# Altium PCB Atom.PcbDoc (part 1 of 2) (continued)
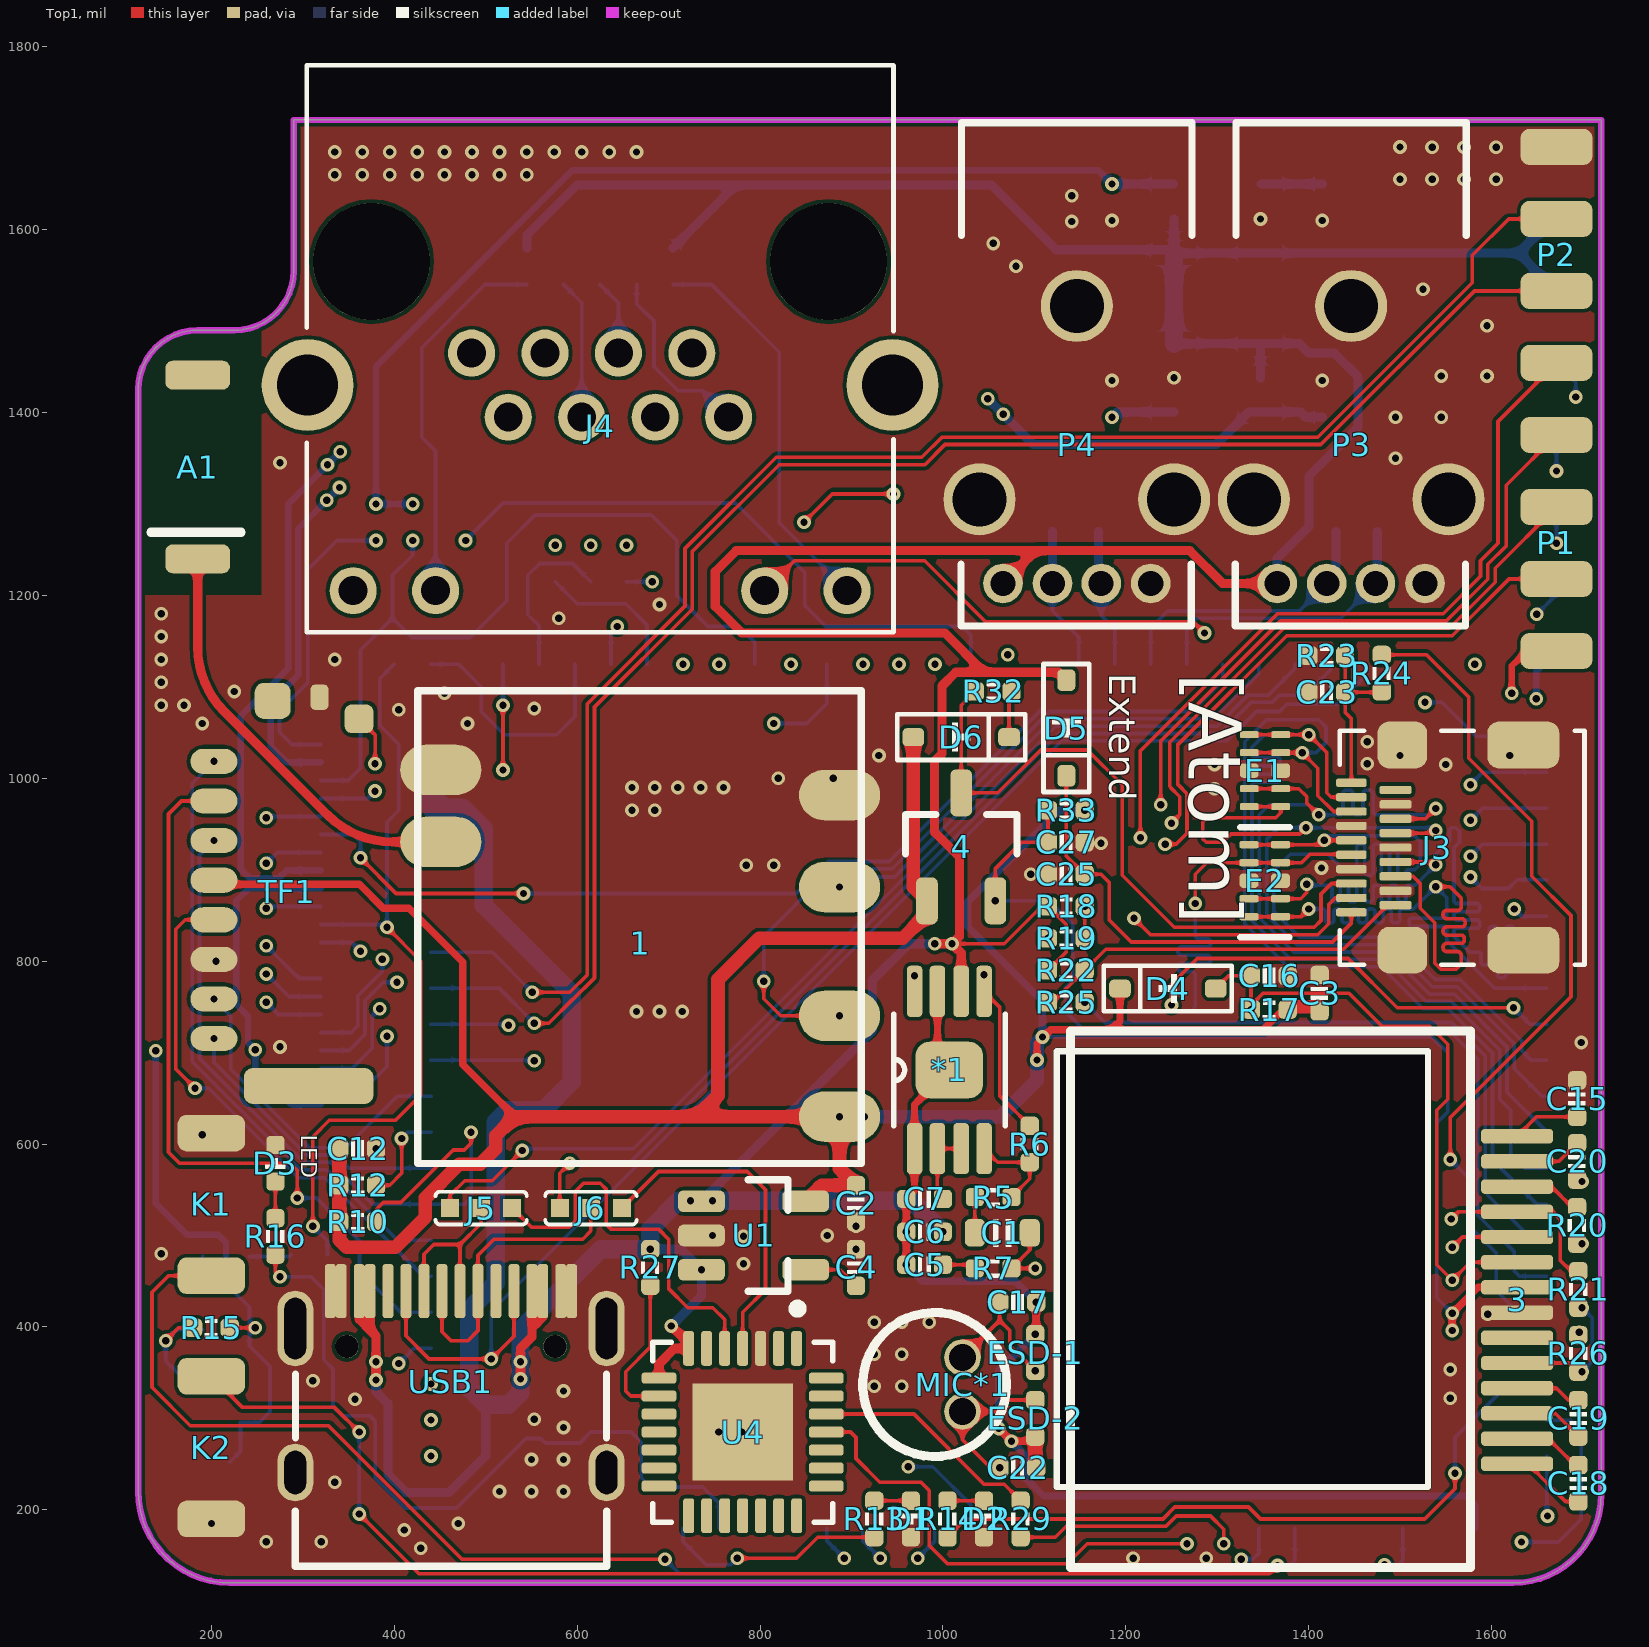
[diagram p0: Top1 view]
## Board outline (continued)

## Design rules (kind name [scope] priority, off if disabled: settings)
Clearance [All] p1: gap=4 ignorepadtopadclearanceinfootprint=FALSE except(0: Arc-Hole Track-Hole SMDPad-Hole THPad-Hole Via-Hole Fill-Hole Poly-Hole Region-Hole Text-Hole)
ComponentClearance [All] p1: gap=0 collisioncheckmode=3 verticalgap=0 showdistances=FALSE
DiffPairsRouting [All] p1: maxlimit=9 minlimit=9 mostfreqgap=9 toplayer_minwidth=15 toplayer_maxwidth=15 toplayer_prefwidth=15 midlayer1_minwidth=15 midlayer1_maxwidth=15 midlayer1_prefwidth=15 bottomlayer_minwidth=15 bottomlayer_maxwidth=15 bottomlayer_prefwidth=15 maxuncoupledlength=500
FanoutControl Fanout_BGA [All] p1: bgadir=Out bgaviamode=Centered fanoutstyle=Auto fanoutdirection=Alternating viagrid=1 // Fanout_BGA (Default Rule)
HoleSize [All] p1: absolutevalues=TRUE maxlimit=10000 minlimit=8 maxpercent=80.000 minpercent=20.000
MinimumSolderMaskSliver [All] p1 off: minsoldermaskwidth=2
PlaneClearance [All] p1: clearance=8
PlaneConnect [All] p1: planeconnectstyle=Direct reliefexpansion=20 reliefentries=4 reliefconductorwidth=10 reliefairgap=10
PolygonConnect [All] p1: connectstyle=Direct reliefconductorwidth=10 reliefentries=4 polygonreliefangle="90 Angle" airgapwidth=10
RoutingVias [All] p1: holewidth=8 width=16 viastyle="Through Hole" minholewidth=6 minwidth=12 maxholewidth=28 maxwidth=50
SilkToSilkClearance [All] p1: silktosilkclearance=0
SilkToSolderMaskClearance [IsPad] p1: minsilkscreentomaskgap=0 clearancetoexposedcopper=TRUE
SolderMaskExpansion [All] p1: expansion=3
Width GND [(InNet('AGND') OR InNet('GND'))] p1: maxlimit=50 minlimit=4 preferedwidth=10
Width VCC [(InNet('VDD_SYS_3.3V') OR InNet('VDD_AV_3.3V') OR InNet('VDD_5V') OR InNet('VDD1V2-SYS') OR InNet('VDD1V1-EPHY') OR InNet('VDD-CPUX') OR InNet('VDD-CPUS') OR InNet('VDD-CPUFB') OR InNet('VCC-DRAM'))] p2: maxlimit=50 minlimit=4 preferedwidth=10
Width [All] p3: maxlimit=10000 minlimit=4 preferedwidth=4
21 further rules are at their usual default settings.

## Components (designator, comment, footprint, x,y, rotation, side; value= is the part's Value field where it differs from the comment)
1 "GND" USB-WIFI-ANT 670,840 r180 top locked
2 "d" SOT363-6 216,437 r90 bottom
3 "OLED-6432" OLED-6432-TOP 1616.27,429.85 r90 top locked
4 "BSN20BKR" SOT23-3 1020,925 r90 top
*1 "LM4871" MSOP-8 1007,681 r90 top
A1 "RAINSUN" ANT-RAINSUN-AN5120 185,1340 r90 top
C1 "330nF" 0603-CAP 1065,503 r0 top value=0.1u
C2 "0.1uF" CAP_0402 905,535 r90 top value=0.1u
C3 "10uF" CAP_0402 1412,765 r270 top value=0.1u
C4 "10nF" CAP_0402 905,465 r270 top value=0.1u
C5 "0.1uF" CAP_0402 980,468 r0 top value=0.1u
C6 "10uF" CAP_0402 980,504 r0 top value=0.1u
C7 "1uF" CAP_0402 980,540 r0 top value=0.1u
C8 "10uF" CAP_0402 1185,1415 r270 bottom value=0.1u
C9 "10uF" CAP_0402 1415,1415 r270 bottom value=0.1u
C10 "10pF" CAP_0402 150,405 r90 bottom value=0.1u
C11 "10pF" CAP_0402 200,252 r0 bottom value=0.1u
C12 "10uF" CAP_0402 360,595 r180 top value=0.1u
C13 "10uF" CAP_0402 1415,1630 r90 bottom value=0.1u
C14 "10uF" CAP_0402 1185,1630 r90 bottom value=0.1u
C15 "10uF" CAP_0402 1693.62,649.74 r270 top value=0.1u
C16 "10uF" CAP_0402 1357,784 r180 top value=0.1u
C17 "33pF" CAP_0402 1082,427 r180 top value=0.1u
C18 "1uF" CAP_0402 1695,229 r270 top value=0.1u
C19 "1uF" CAP_0402 1695,300 r90 top value=0.1u
C20 "10uF" CAP_0402 1693.62,581 r270 top value=0.1u
C21 "100pF" CAP_0402 1647,179 r45 bottom value=0.1u
C22 "33pF" CAP_0402 1082,246 r180 top value=0.1u
C23 "0.1uF" CAP_0402 1419.87,1094.06 r0 top value=0.1u
C24 "0.1uF" CAP_0402 585,1560.08 r90 bottom value=0.1u
C25 "0.1uF" CAP_0402 1135,895 r180 top value=0.1u
C26 "0.1uF" CAP_0402 625,1560.08 r90 bottom value=0.1u
C27 "100pF" CAP_0402 1135,930 r180 top value=0.1u
D1 "color?" LED_0402_RED 965,190 r270 top
D2 "color?" LED_0402_RED 1045,190 r270 top
D3 "color?" LED_0402_RED 270,579 r90 top
D4 "二极管-5B5817WS" SOD-323 1246,770 r180 top
D5 "二极管-5B5817WS" SOD-323 1135,1055 r270 top
D6 "二极管-5B5817WS" SOD-323 1020,1045 r0 top
E1 "E?" DFN-2510 1352.22,1008.37 r90 top
E2 "E?" DFN-2510 1352,888 r90 top
ESD-1 "ESD-0402" ESD-0402 1101,372 r90 top
ESD-2 "ESD-0402" ESD-0402 1101,300 r90 top
ESD-3 "ESD-0402" ESD-0402 1475,1290 r270 bottom
ESD-4 "ESD-0402" ESD-0402 1430,1290 r270 bottom
ESD-5 "ESD-0402" ESD-0402 1170,1290 r270 bottom
ESD-6 "ESD-0402" ESD-0402 1120,1290 r270 bottom
J1 "Core" QUANTUM-QUARK 1660.55,180 r180 bottom locked
J2 "0.5S_A_24PWB" FPC-24P 270,850 r90 bottom
J3 "Micro-HDMI" "MICRO HDMI" 1446.77,924.25 r90 top locked
J4 "RJ45座" RJ45母座 625.08,1565.08 r180 top locked
J5 "选择跳线" JUMPER-3 495,530 r180 top
J6 "选择跳线" JUMPER-3 615,530 r180 top
K1 "TACT 2P" ButtonTACT_3x4x2_180 200,534 r270 top locked value=3x4
K2 "TACT 2P" ButtonTACT_3x4x2_180 200,268 r90 top value=3x4
MIC*1 "MIC*" MIC-0416 991,337 r0 top
P1 "HDR2x4_2.54" HDR2X4_2.0_180H 1671,1375.48 r0 top
P2 "HDR2x4_2.54" HDR2X4_2.0_180H 1671,1690.48 r0 top
P3 "USB-侧立式" USB-侧立式 1446.46,1514.53 r270 top locked
P4 "USB-侧立式" USB-侧立式 1146.46,1514.53 r270 top locked
R1 "22R" RES_0402 576,1235 r270 bottom
R2 "22R" RES_0402 654,1235 r270 bottom
R3 "22R" RES_0402 420.08,1124.88 r0 bottom
R4 "22R" RES_0402 615,1235 r270 bottom
R5 "20K" RES_0402 1055,542 r0 top value=22R
R6 "75K" RES_0402 1095,600 r90 top value=22R
R7 "22R" RES_0402 1055,464 r0 top
R8 "10K" RES_0402 420.08,1280 r90 bottom value=22R
R9 "10K" RES_0402 380,1280 r90 bottom value=22R
R10 "47K" RES_0402 360,515 r0 top value=22R
R11 "0R" RES_0402 307,479 r0 bottom value=22R
R12 "47K" RES_0402 360,555 r0 top value=22R
R13 "4.7K" RES_0402 925,190 r90 top value=22R
R14 "4.7K" RES_0402 1005,190 r90 top value=22R
R15 "5.1M" RES_0402 200,399 r180 top value=22R
R16 "1K" RES_0402 270,499 r90 top value=22R
R17 "4.7K" RES_0402 1357,747 r180 top value=22R
R18 "1.8K" RES_0402 1135,860 r180 top value=22R
R19 "22R" RES_0402 1135,825 r0 top
R20 "560K" RES_0402 1693.62,511 r90 top value=22R
R21 "4.7K" RES_0402 1695,441 r270 top value=22R
R22 "1.8K" RES_0402 1135,790 r180 top value=22R
R23 "10K" RES_0402 1419.87,1134.06 r0 top value=22R
R24 "1K" RES_0402 1480,1115 r90 top value=22R
R25 "22R" RES_0402 1135,755 r180 top
R26 "4.7K" RES_0402 1695,371 r270 top value=22R
R27 "10K" RES_0402 680,465 r270 top value=22R
R28 "1M" RES_0402 665,1560.08 r270 bottom value=22R
R29 "200R" RES_0402 1085,190 r90 top value=22R
R30 "1K" RES_0402 705,1560.08 r270 bottom value=22R
R31 "1K" RES_0402 545,1560.08 r270 bottom value=22R
R32 "3.6K" RES_0402 1055,1095 r0 top value=22R
R33 "2K" RES_0402 1135,965 r0 top value=22R
TF1 "TF" "TF-SOCKET - SHORT" 330,880 r0 top locked
U1 "LP2992 3V3" SOT23-5 795,500 r0 top
U2 "RT9011-FMPJ6" SOT23-6 1300,1438 r0 bottom
U3 "RT9011-PGPJ6" SOT23-6 1300,1611.74 r180 bottom
U4 "CP2102" QFN-28 781,285 r270 top locked value=Value
USB1 "Type-C" TYPE-C-TOP 462,340 r270 top locked
Y1 "24MHz" 晶振2520 200,320 r180 bottom

## Footprints (in the part's own frame and the unit in brackets; to place one, negate y for a bottom-side part, rotate by r counter-clockwise, add the part's x,y. Pads: shape width x height; smd on the part's side, far side on the other; paste and mask are expansions set on the pad)
0603-CAP [mil]
  rrect50% 22x30 smd: 1(-30,0) 2(30,0)
  silkscreen extent -10,-15 10,15, body extent -31,-16 32,16, height 31
ANT-RAINSUN-AN5120 [mm] "选择"
  rrect50% 0.8x1.8 smd: 1(-2.54,0) ""(2.563,0)
  silkscreen extent -1.8,-1.2 -1.8,1.3, body extent -2.57,-0.91 2.54,0.94, height 1.32
ButtonTACT_3x4x2_180 [mil]
  rrect50% 40x74 smd: 1(-78,0) 2(78,0)
  body extent -79,-49 79,49, height 63
CAP_0402 [mil]
  rrect50% 20x20 smd: 1(-20,0) 2(20,0)
  silkscreen extent -7,-9 7,9, body extent -20,-10 20,10, height 20
DFN-2510 [mm]
  rrect50% 0.2x0.525 smd: 1(-1,-0.437) 2(-0.5,-0.437) 4(0.5,-0.437) 5(1,-0.437) 6(1,0.437) 7(0.5,0.437) 9(-0.5,0.437) 10(-1,0.437)
  rrect50% 0.4x0.525 smd: 3(0,-0.437) 8(0,0.437)
  silkscreen extent -1.57,-0.69 -1.57,0.69
ESD-0402 [mil]
  rrect50% 20x20 smd: 1(-20,0) 2(20,0)
  body extent -20,-10 20,10, height 14
FPC-24P [mm]
  oval 0.3x1.25 smd: 1(5.75,1.263) 2(5.25,1.263) 3(4.75,1.263) 4(4.25,1.263) 5(3.75,1.263) 6(3.25,1.263) 7(2.75,1.263) 8(2.25,1.263) 9(1.75,1.263) 10(1.25,1.263) 11(0.75,1.263) 12(0.25,1.263) 13(-0.25,1.263) 14(-0.75,1.263) 15(-1.25,1.263) 16(-1.75,1.263) 17(-2.25,1.263) 18(-2.75,1.263) 19(-3.25,1.263) 20(-3.75,1.263) 21(-4.25,1.263) 22(-4.75,1.263) 23(-5.25,1.263) 24(-5.75,1.263)
  rrect50% 1.8x2.2 smd: ""(-7.65,-1.263) ""(7.65,-1.263)
  silkscreen extent -7.65,-2.85 7.65,1.26, body extent -8.75,-3.72 8.75,1.68, height 2.12
HDR2X4_2.0_180H [mm]
  rrect50% 2x1 smd: 1(0,0) 3(0,-2) 5(0,-4) 7(0,-6)
  rrect50% 2x1 smd far side: 2(0,0) 4(0,-2) 6(0,-4) 8(0,-6)
JUMPER-3 [mm]
  rect 0.5x0.5 smd: 1(-0.864,0) 2(0,0) 3(0.864,0)
  silkscreen extent -1.27,-0.46 1.27,0.46
LED_0402_RED [mil]
  rrect50% 20x20 smd: 1(-20,0) 2(20,0)
  silkscreen extent -6,-11 6,10, body extent -20,-10 20,10, height 18
MIC-0416 [mil]
  round 40 hole 30: 1(30.43,29.53) 2(30.43,-29.53)
  silkscreen extent -79,-79 79,79, body extent -99,-99 99,100, height 102
"MICRO HDMI" [mm]
  rrect50% 0.23x0.85 smd: 1(1.8,0) 3(1.4,0) 5(1,0) 7(0.6,0) 9(0.2,0) 11(-0.2,0) 13(-0.6,0) 15(-1,0) 17(-1.4,0) 19(-1.8,0)
  rrect50% 0.23x0.889 smd: 2(1.6,-1.225) 4(1.2,-1.225) 6(0.8,-1.225) 8(0.4,-1.225) 10(0,-1.225) 12(-0.4,-1.225) 14(-0.8,-1.225) 16(-1.2,-1.225) 18(-1.6,-1.225)
  rrect50% 1.3x1.38 smd: S1(-2.85,-1.415) S2(2.85,-1.415)
  rrect50% 1.3x2 smd: S3(-2.85,-4.775) S4(2.85,-4.775)
  silkscreen extent -3.25,-6.48 3.25,0.33, body extent -3.25,-7.15 3.25,0.35, height 2.98
MSOP-8 [mil]
  rrect50% 56x17 smd: 1(-86,38) 2(-86,13) 3(-86,-13) 4(-86,-38) 5(86,-38) 6(86,-13) 7(86,13) 8(86,38)
  rrect50% 62x74 smd: 9(0,0)
  silkscreen extent -61,-61 61,61, body extent -97,-61 97,61, height 45
OLED-6432-TOP [mm]
  rrect50% 0.4x2 smd: 1(-4.56,-0.298) 2(-3.86,-0.298) 3(-3.16,-0.298) 4(-2.46,-0.298) 5(-1.76,-0.298) 6(-1.06,-0.298) 7(-0.36,-0.298) 8(0.34,-0.298) 9(1.04,-0.298) 10(1.74,-0.298) 11(2.44,-0.298) 12(3.14,-0.298) 13(3.84,-0.298) 14(4.54,-0.298)
  silkscreen extent -7.44,1 7.46,12.11
QFN-28 [mil]
  rrect50% 38x12 smd mask+5: 1(-91.5,59.06) 2(-91.5,39.37) 3(-91.5,19.69) 4(-91.5,0) 5(-91.5,-19.68) 6(-91.5,-39.37) 7(-91.5,-59.06) 15(91.5,-59.06) 16(91.5,-39.37) 17(91.5,-19.68) 18(91.5,0) 19(91.5,19.69) 20(91.5,39.37) 21(91.5,59.06)
  rrect50% 12x38 smd mask+5: 8(-59.06,-91.5) 9(-39.37,-91.5) 10(-19.69,-91.5) 11(0,-91.5) 12(19.68,-91.5) 13(39.37,-91.5) 14(59.06,-91.5) 22(59.06,91.5) 23(39.37,91.5) 24(19.68,91.5) 25(0,91.5) 26(-19.69,91.5) 27(-39.37,91.5) 28(-59.06,91.5)
  rect 106.3x110.24 smd: 29(0,0)
  silkscreen extent -140,-99 99,99, body extent -99,-99 98,98, height 35
QUANTUM-QUARK [mm]
  oval 1.2x0.7 smd: 1(0,22) 2(0,21) 3(0,20) 4(0,19) 5(0,18) 6(0,17) 7(0,16) 8(0,15) 9(0,14) 10(0,13) 11(0,12) 12(0,11) 13(0,10) 14(0,9) 15(0,8) 16(0,7) 17(0,6) 18(0,5) 19(0,4) 20(0,3) 21(0,2) 50(31,2) 51(31,3) 52(31,4) 53(31,5) 54(31,6) 55(31,7) 56(31,8) 57(31,9) 58(31,10) 59(31,11) 60(31,12) 61(31,13) 62(31,14) 63(31,15) 64(31,16) 65(31,17) 66(31,18) 67(31,19) 68(31,20) 69(31,21) 70(31,22)
  oval 0.7x1.2 smd: 22(2,0) 23(3,0) 24(4,0) 25(5,0) 26(6,0) 27(7,0) 28(8,0) 29(9,0) 30(10,0) 31(11,0) 32(12,0) 33(13,0) 34(14,0) 35(15,0) 36(16,0) 37(17,0) 38(18,0) 39(19,0) 40(20,0) 41(21,0) 42(22,0) 43(23,0) 44(24,0) 45(25,0) 46(26,0) 47(27,0) 48(28,0) 49(29,0) 71(29,24) 72(28,24) 73(27,24) 74(26,24) 75(25,24) 76(24,24) 77(23,24) 78(22,24) 79(21,24) 80(20,24) 81(19,24) 82(18,24) 83(17,24) 84(16,24) 85(15,24) 86(14,24) 87(13,24) 88(12,24) 89(11,24) 90(10,24) 91(9,24) 92(8,24) 93(7,24) 94(6,24) 95(5,24) 96(4,24) 97(3,24) 98(2,24)
  Keep-Out Layer board cut-out: 3.302,1.141 13.614,1.141 13.614,13.244 3.302,13.244
  silkscreen extent 0,0.04 31,24.04
RES_0402 [mil]
  rrect50% 20x20 smd: 1(-20,0) 2(20,0)
  silkscreen extent -7,-10 7,10, body extent -20,-10 20,10, height 14
RJ45母座 [mm]
  round 1.308 hole 0.8: 1(3.57,2.54) 2(2.55,4.32) 3(1.53,2.54) 4(0.51,4.32) 5(-0.51,2.54) 6(-1.53,4.32) 7(-2.55,2.54) 8(-3.57,4.32) 9(6.86,9.14) 10(4.57,9.14) 11(-4.57,9.14) 12(-6.86,9.14)
  round 3.25 hole 3.25 unplated: None(-6.35,0) None(6.35,0)
  round 2.55 hole 1.7: SHELL1(-8.125,3.43) SHELL2(8.125,3.43)
  silkscreen extent -8.15,-5.46 8.15,10.29, body extent -8.33,-5.94 8.38,10.31, height 14.75
SOD-323 [mm]
  rrect50% 0.6x0.5 smd: 1(-1.329,0) 2(1.329,0)
  silkscreen extent -1.78,-0.64 1.78,0.64, body extent -1.3,-0.68 1.3,0.67, height 1.15
SOT23-3 [mm] "SOT23, 3-Leads, Body 3.1x3.0mm (max), Pitch 0.95mm, IPC Medium Density"
  rrect50% 1.3x0.6 smd: 1(-1.5,0.95) 2(-1.5,-0.95) 3(1.5,0)
  silkscreen extent -0.2,-1.55 0.9,1.55, body extent -1.3,-1.45 1.5,1.45, height 1.2
SOT23-5 [mm] "SOT23, 3-Leads, Body 3.1x3.0mm (max), Pitch 0.95mm, IPC Medium Density"
  rrect50% 1.3x0.6 smd: 1(-1.5,0.95) 2(-1.5,0) 3(-1.5,-0.95) 4(1.396,-0.95) 5(1.396,0.95)
  silkscreen extent -0.2,-1.55 0.9,1.55, body extent -1.48,-1.45 1.32,1.45, height 1.2
SOT23-6 [mm]
  rrect50% 1.3x0.7 smd: 1(-1.2,0.95) 2(-1.2,0) 3(-1.2,-0.95) 4(1.2,-0.95) 5(1.2,0) 6(1.2,0.95)
  silkscreen extent -1.32,1.73 -1.07,1.97, body extent -0.9,-1.55 0.9,1.55
SOT363-6 [mil]
  rrect50% 24x16 smd: 1(-40,25.59) 2(-40,0) 3(-40,-25.59) 4(40,-25.59) 5(40,0) 6(40,25.59)
  silkscreen extent -14,-43 14,43, body extent -41,-39 41,39, height 37
"TF-SOCKET - SHORT" [mm]
  oval 1.3x0.7 smd: 1(-3.231,3.518) 2(-3.231,2.418) 3(-3.231,1.318) 4(-3.231,0.218) 5(-3.231,-0.882) 6(-3.231,-1.982) 7(-3.231,-3.082) 8(-3.231,-4.182)
  rrect50% 0.8x0.8 smd: 9(0.8,4.7)
  rrect50% 0.5x0.7 smd: 10(-0.3,5.3)
  rrect50% 1x1 smd: ""(-1.6,5.2)
  rrect50% 3.6x1 smd: ""(-0.6,-5.5)
  body extent -4.51,-5.74 0.94,5.66, height 2.27
TYPE-C-TOP [mm]
  round 0.65 hole 0.65: 0(-0.98,2.89) 0(-0.98,-2.89)
  oval 1.6x1 hole 0.6 slot 1.2 at 0 deg: 1(2.52,4.325) 2(2.52,-4.325)
  oval 2.1x1 hole 0.6 slot 1.7 at 0 deg: 3(-1.48,-4.325) 4(-1.48,4.325)
  rrect50% 1.5x0.3 smd: A1(-2.52,-3.35) A4(-2.52,-2.55) A5(-2.52,-1.25) A6(-2.52,-0.25) A7(-2.52,0.25) A8(-2.52,1.25) A9(-2.52,2.55) A12(-2.52,3.35) B1(-2.52,3.05) B4(-2.52,2.25) B5(-2.52,1.75) B6(-2.52,0.75) B7(-2.52,-0.75) B8(-2.52,-1.75) B9(-2.52,-2.25) B12(-2.52,-3.05)
  silkscreen extent -0.22,-4.33 5.12,4.33, body extent -2.64,-4.48 5.26,4.46, height 3.28
USB-WIFI-ANT [mm]
  oval 2.254x1.4 smd: 1(-5.512,-3.598) 2(-5.512,-1.042) 3(-5.512,2.534) 4(-5.512,5.334) 5(5.569,-2.298) 6(5.569,-4.298)
  silkscreen extent -6.11,-6.5 6.2,6.63, body extent -6.02,-6.45 6.18,6.45, height 1.9
USB-侧立式 [mm]
  round 1.1 hole 0.7: 1(7.657,-2.052) 2(7.657,-0.675) 3(7.657,0.675) 4(7.657,2.052)
  round 2 hole 1.5: 5(5.322,-2.704) 6(5.322,2.704) 7(-0.051,0)
  silkscreen extent -5.14,-3.22 8.84,3.2, body extent -5.14,-3.52 8.66,3.48, height 14.8
晶振2520 [mm]
  rrect50% 0.8x0.6 smd: 1(-0.81,-0.625) 2(0.81,-0.625) 3(0.81,0.625) 4(-0.81,0.625)
  silkscreen extent -1.4,-1.1 1.4,1.1, body extent -1.3,-1.05 1.3,1.05, height 0.55

## Part data
1: library part USB-WiFi-ANT
2: library part NL27WZU04DF
3: "显示屏"
4: "N-Channel 60 V 2.8 Ohm 310 mW 0.49 nC Surface Mount Trench MosFet - SOT-23", Package="SOT-23 Nexperia", Availability=Unavailable, MF="Nexperia USA", MP=BSN20BKR, Price=None, SnapEDA_Link=https://www.snapeda.com/parts/BSN20BKR/Nexperia%20USA%20Inc./view-part/?ref=snap
A1: library part ANT-Rainsun-AP5120
C1: library part 电容-0603, "Capacitor"
C2 C3 C4 C5 C6 C7 C8 C9 C10 C11 C12 C13 C14 C15 C16 C17 C18 C19 C20 C21 C22 C23 C24 C25 C26 C27: library part 电容-0402, "Capacitor"
D1 D2 D3: library part LED_0402, "LED", Type=0402
D4 D5 D6: "40V"
E1 E2: library part AZ1045-04F
ESD-1 ESD-2 ESD-3 ESD-4 ESD-5 ESD-6: "ESD"
J1: library part Quantum-Quark-Core
J2: library part OV2640, "Header, 24-Pin", LatestRevisionDate=17-Jul-2002, LatestRevisionNote="Re-released for DXP Platform.", Publisher="Altium Limited"
J3: "Conn Micro HDMI RCP 19 POS 0.4mm Solder RA SMD 19 Terminal 1 Port Micro HDMI Embossed T/R", Package=None, Availability=Unavailable, MF=Molex, MP=0467650301, Price=None, SnapEDA_Link=https://www.snapeda.com/parts/0467650301/Molex/view-part/?ref=snap
J4: Package=None, Availability=Good, MF=Wurth, MP=615008137421, Price="2.50 USD", SnapEDA_Link=https://www.snapeda.com/parts/615008137421/Wurth%20Electronics%20Inc/view-part/?ref=snap
J5 J6: "Resistor", LatestRevisionDate=17-Jul-2002, LatestRevisionNote="Re-released for DXP Platform.", PackageDescription="Axial Device, Thru-Hole; 2 Leads; 0.4 in Pin Spacing", PackageReference=AXIAL-0.4, Published=8-Jun-2000, Publisher="Altium Limited"
K1 K2: library part ButtonTACT_3x4x2_180, "Button", Type="TACT 2P"
MIC*1: library part MIC
P1 P2: "Header"
P3 P4: "USB A Skt, Upright/Flag, R/A GF, W/kinked shell stake, tray", Package=None, Availability=Unavailable, MF="Global Connector Technology", MP=USB1025-GF-P-B, Price=None, SnapEDA_Link=https://www.snapeda.com/parts/USB1025-GF-P-B/Global%20Connector%20Technology/view-part/?ref=snap
R1 R2 R3 R4 R5 R6 R7 R8 R9 R10 R11 R12 R13 R14 R15 R16 R17 R18 R19 R20 R21 R22 R23 R24 R25 R26 R27 R28 R29 R30 R31 R32 R33: library part 电阻-0402, "Resistor"
TF1: library part TF卡座, "8脚自弹"
U1: library part LP2992, "LDO"
U2 U3: library part RT9011
U4: "USBתTTL", MFG #1="SILICON LABS", PART DESC="SINGLE-CHIP USB TO UART BRIDGE, QFN28, RoHS.", PART NUMBER=CP2102, RefDes=RefDes, Type=DEV
USB1: library part USB-Type-C-TOP
Y1: library part 晶振-4Pin-无源, "2520无源", Package="SMD-6 ECS International", Availability=Unavailable, MF="ECS International", MP=ECS-3225S30-240-EN-TR, Price="0.75 USD"

## Via types
v1: diameter 15, hole 8, Top1 to Bottom4, tented both sides, 296 vias

## Nets (pads, with @x,y where several pads share a name; then routed paths per layer and width w, separated by ;. In a path a pad name is that pad's centre, name@x,y a point inside that pad or via, vN(x,y) a via of type N, cw(c..) or ccw(c..) an arc to the next point about the centre after c; other vN are vias at no path point)
AGND: *1.1 *1.7 C5.1 C6.1 C7.1 C17.1 C22.1 ESD-1.2 ESD-2.1 J1.22 | length 1384
  Top1 w8: v1(960,468) v1(960,504) C7.1@960,540 969,549 *1.1@969,595 969,643 1007,681 994,694 *1.7@994,767 ; v1(1061,289) v1(1075,275) 1096,275 ESD-2.1@1101,280 ; ESD-1.2@1102,393 v1(1102,427)
  Top1 w15: C22.1@1101,247 ESD-2.1@1101,280
  Bottom4 w8: v1(960,504) v1(960,468) 978,450 1079,450 v1(1102,427) 1102,393 v1(1101,392) 1061,352 v1(1061,289) v1(1075,275) 1090,260 1090,235 1110,215 1572,215 1581.81,205.19 J1.22@1581.81,180
AP-RESET: J1.28 K1.2 | length 2174.2
  Top1 w4: K1.2@200,456 153,456 135,438 135,334 177,292 328,292 474,146 v1(696,146)
  Signal2 w4: v1(696,146) 724,174 841,174 884,131 1311.31,131 v1(1326.31,146)
  Bottom4 w4: v1(696,146) 712,130 1310.31,130 v1(1326.31,146) 1338.95,146 1345.59,152.64 J1.28@1345.59,180
CP_Rx: J1.30 U4.25 | length 511.9
  Top1 w4: U4.25@872.5,285 899,285 905,279 905,256 931,230 976,230 985,221 985,161 1005,141 1136,141 1158,163 v1(1267,163)
CP_Tx: J1.29 R29.1 | length 253.3
  Top1 w4: R29.1@1085,170 1123,170 1135,182 1244,182 1255.14,193.14 1292.58,193.14 1307,178.72 v1(1307,163)
DVP_D0: J1.81 J2.19 | length 894.2
  Signal2 w4: v1(387,802) 377,792 352,792 344,800 344,822.75 493.25,972 537,972 652,1087 874.64,1087 v1(912.52,1124.88)
  Bottom4 w4: J2.19@319.71,722.06 353.06,722.06 360,729 360,762 387,789 v1(387,802)
DVP_D1: J1.77 J2.21 | length 753.4
  Signal2 w4: v1(384,748) 335,797 335,825.06 493.94,984 535,984 649,1098 728.16,1098 v1(755.04,1124.88)
  Bottom4 w4: J2.21@319.71,682.69 353.69,682.69 376,705 376,740 v1(384,748)
DVP_D2: J1.80 J2.22 | length 881.5
  Signal2 w4: v1(392,718) 406,732 406,749 385,770 385,780 414,809 414,868 498,952 548,952 656,1060 v1(815,1060)
  Bottom4 w4: J2.22@319.71,663.01 370.01,663.01 392,685 v1(392,718) ; v1(815,1060) 851,1060 873.15,1082.15 J1.80@873.15,1124.88
DVP_D3: J1.83 J2.20 | length 906.8
  Signal2 w4: v1(403,777) 424,798 424,863.9 502.1,942 553,942 653,1042 908.38,1042 v1(991.26,1124.88)
  Bottom4 w4: J2.20@319.71,702.38 350.38,702.38 368,720 368,757 388,777 v1(403,777)
DVP_D4: J1.71 J2.18 | length 558.2
  Top1 w4: v1(518.82,1009) v1(518.82,1079.82)
  Signal2 w4: v1(260,755) 276,755 303,782 303,804.37 496.63,998 507.82,998 v1(518.82,1009)
  Bottom4 w4: v1(260,755) 273.25,741.75 J2.18@319.71,741.75 ; v1(518.82,1079.82) J1.71@518.82,1124.88
DVP_D5: J1.76 J2.16 | length 657.8
  Signal2 w4: v1(260,817) 278,835 322.31,835 516.31,1029 563.39,1029 659.28,1124.88 v1(715.67,1124.88)
  Bottom4 w4: v1(260,817) 295.88,781.12 J2.16@319.71,781.12
DVP_D6: J1.82 J2.14 | length 777.5
  Signal2 w4: v1(363,811) 363,830.43 494.57,962 542,962 656,1076 903.01,1076 v1(951.89,1124.88)
  Bottom4 w4: J2.14@319.71,820.49 353.51,820.49 v1(363,811)
DVP_D7: J1.79 J2.12 | length 766.2
  Signal2 w4: v1(260,858) 272,846 322,846 514,1038 558,1038 659,1139 821,1139 v1@834,1126
  Bottom4 w4: v1(260,858) 261.86,859.86 J2.12@319.71,859.86
  other v1: 833.78,1124.88
DVP_HSYNC: J2.9 R4.1 | length 608.3
  Signal2 w4: v1(260,907) 279,926 279,1002 426,1149 481.69,1149 569.69,1237 570,1237 571,1238 598,1238 v1(615,1255)
  Bottom4 w4: v1(260,907) 271.91,918.91 J2.9@319.71,918.91
DVP_PCLK: J2.17 R2.1 | length 806.2
  Signal2 w4: v1(260,786) 246,786 234,798 234,869 250,885 268,885 287,904 287,997 430,1140 484,1140 573,1229 628,1229 v1(654,1255)
  Bottom4 w4: v1(260,786) 284.57,761.43 J2.17@319.71,761.43
DVP_PWDN: J1.86 J2.8 | length 958.9
  Top1 w4: v1(363,913) 402,874 v1(541.4,874)
  Bottom4 w4: J2.8@319.71,938.6 355.4,938.6 363,931 v1(363,913) ; v1(541.4,874) 839.72,874 874.7,908.98 941.36,908.98 1109.37,1077 J1.86@1109.37,1124.88
DVP_RST: J1.85 J2.6 | length 826.3
  Signal2 w4: v1(379,986) 434,986 497,1049 553,1049 651,1147 1059,1147 v1(1071,1135)
  Bottom4 w4: J2.6@319.71,977.97 370.97,977.97 v1(379,986)
DVP_SCL: J1.78 J2.5 R8.1 | length 935.6
  Bottom4 w4: J2.5@319.71,997.65 349.65,997.65 363,1011 363,1140 398,1175 ; v1(420.08,1260) 420.08,1244.08 398,1222 398,1175 ; J1.78@794.41,1124.88 794.41,1148.59 777,1166 743,1166 709,1200 709,1260 681,1288 554,1288 523,1257 523,1194 483,1154 419,1154 398,1175
DVP_SDA: J1.84 J2.3 R9.1 | length 1127.5
  Signal2 w4: v1(380,1260) 402,1238 427,1238 449,1260 v1(478,1260)
  Bottom4 w4: J2.3@319.71,1037.02 287.98,1037.02 274.5,1050.5 274.5,1073.5 305.2,1104.2 305.2,1228.2 337,1260 v1(380,1260) ; v1(478,1260) 519,1301 773,1301 849,1225 849,1189 872,1166 1021,1166 1030.63,1156.37 J1.84@1030.63,1124.88
DVP_VSYNC: J2.7 R1.1 | length 528.1
  Signal2 w4: v1(260,957) 252,965 252,986.31 423.69,1158 479.22,1158 v1@576,1254.78
  Bottom4 w4: v1(260,957) 261.28,958.28 J2.7@319.71,958.28
  other v1: 576,1255
DVP_XCLK: J2.13 R3.1 R11.2 | length 853.4
  Top1 w4: v1(311,510) 311,608 329,626 401.26,626 429,653.74 429,800 v1(392,837)
  Bottom4 w4: v1(311,510) 327,494 R11.2@327,479 ; J2.13@319.71,840.17 388.83,840.17 v1(392,837) 392,952 405,965 405,1037 384,1058 384,1108.8 R3.1@400.08,1124.88
EPHY-LINK-LED: J1.98 J4.11 | length 900.9
  Top1 w4: J4.11@805,1205.24 837.76,1238 980,1238 1047,1171 1274,1171 v1(1286,1159)
  Signal2 w4: v1(1286,1159) 1354,1091 1425.69,1091 1441.69,1075 1498.63,1075 1508.63,1065 1546,1065 1581.81,1100.81 v1(1581.81,1124.88)
EPHY-RXN: J1.3 J4.6 | length 1163.5
  Signal2 w4: J4.6@685.31,1395 760.31,1320 857,1320 1022,1155 1215,1155 1385,985 1546,985 v1(1577,954)
  Bottom4 w4: v1(1577,954) 1590.4,967.4 J1.3@1660.55,967.4
EPHY-RXP: J1.2 J4.3 | length 1372.5
  Signal2 w4: J4.3@564.84,1465.08 603.76,1504 666,1504 685.31,1484.69 685.31,1451.69 727,1410 727,1369 768,1328 860.31,1328 1025.31,1163 1218.31,1163 1388.31,993 v1(1577,993)
  Bottom4 w4: v1(1577,993) 1590.77,1006.77 J1.2@1660.55,1006.77
EPHY-SPD-LED: J1.1 J4.9 | length 1501.4
  Top1 w4: v1(848,1280) 879,1311 v1(946,1311)
  Signal2 w4: J4.9@355,1205.24 391.24,1169 474,1169 547,1242 547,1263 564,1280 v1(848,1280) ; v1(946,1311) 1005,1252 1243,1252 1396,1099 1429,1099 1445,1083 v1(1527.23,1083)
  Bottom4 w4: v1(1527.23,1083) 1546,1083 1582.86,1046.14 J1.1@1660.55,1046.14
EPHY-TXN: J1.4 J4.2 | length 1622
  Signal2 w4: J4.2@524.69,1395 524.69,1491.69 552,1519 740,1519 863.63,1395.37 863.63,1336 1028.63,1171 1221.63,1171 1317.63,1075 1419.06,1075 1435.06,1059 1492,1059 1502,1049 1553.69,1049 1604,998.69 1604,941.63 v1(1577,914.63)
  Bottom4 w4: v1(1577,914.63) 1590.4,928.03 J1.4@1660.55,928.03
EPHY-TXP: J1.5 J4.1 | length 1622.5
  Signal2 w4: J4.1@484.53,1465.08 546.45,1527 743.31,1527 871.63,1398.69 871.63,1339.31 1031.94,1179 1224.94,1179 1320.94,1083 1422.37,1083 1438.37,1067 1495.31,1067 1505.31,1057 1557,1057 1612,1002 1612,927 v1(1577,892)
  Bottom4 w4: v1(1577,892) 1589.46,879.54 1618.54,879.54 1628,889 J1.5@1660.55,889
GND: 1.1 1.6 2.2 3.7 C2.1 C3.1 C4.1 C8.1 C9.1 C10.2 C11.1 C12.1 C13.1 C14.1 C15.1 C16.1 C20.2 C23.1 C24.2 C25.2 C26.2 C27.1 D1.2 D2.2 D3.2 E1.3 E1.8 E2.3 E2.8 ESD-3.1 ESD-4.1 ESD-5.1 ESD-6.1 J1.45 J1.46 J1.47 J1.48 J1.49 J1.70 J2. J2.2 J2.15 J3.4 J3.7 J3.10 J3.13 J3.16 J3.S1 J3.S2 J3.S3 J3.S4 K1.1 K2.1 P2.1 P2.2 P3.4 P3.5 P3.6 P3.7 P4.4 P4.5 P4.6 P4.7 R20.1 R23.1 R28.1 TF1.6 TF1.10 U1.2 U2.2 U3.2 U4.3 U4.29 USB1.1 USB1.2 USB1.3 USB1.4 USB1.A1 USB1.A12 USB1.B1 USB1.B12 Y1.2 Y1.4
  other v1: 1208,147 1288,147 429,158 260,165 320,165 411,178 200,185 470,185 515,220 550,220 585,220 335,230 550,255 585,255 755,285 780,285 585,290 553,299 357,321 1555,322 585,330 925,335 955,335 311,341 1555,353.53 925,370 955,370 925,405 955,405 985,405 1596,414 782,469 145,480 905,485 1699,491 782,499 748,500 873.49,500 905,510 1699,559 380,595 190,610 275,706.24 1698,711 665,745 690,745 715,745 205,800 1096,894.96 1414,902 785,905 815,905 1173,929 660,965 685,965 1297,988.69 660,990 685,990 710,990 735,990 760,990 820,1000 880,1000 1297,1015 1550,1015 1464,1016 930,1025 1500,1025 1620,1025 1464,1040 190,1060 480,1060 405,1075 553,1076.39 145,1080 170,1080 455,1093 225,1095 145,1105 145,1130 335,1130 145,1155 580,1175 145,1180 690,1190 275,1345 1495,1350 1495,1395 1545,1395 1185,1435 1415,1435 1252.76,1438 1545,1440 1595,1440 1595,1495 1525,1535 1080,1560 1055,1585 1141,1609 1185,1610 1415,1610 1347.24,1611.74 1141,1637 1500,1655 1535,1655 1570,1655 1605,1655 335,1660 365,1660 395,1660 425,1660 455,1660 485,1660 515,1660 545,1660 335,1685 365,1685 395,1685 425,1685 455,1685 485,1685 515,1685 545,1685 575,1685 605,1685 635,1685 665,1685 1500,1690.48 1535,1690 1570,1690 1605,1690
HCEC: 4.2 C27.2 J1.16 R33.1 | length 1092.6
  Top1 w4: v1(1057.4,865.94) 1057.4,901.4 1086,930 C27.2@1115,930 R33.1@1115,965
  Bottom4 w4: v1(1057.4,865.94) 1116.23,865.94 1142,840.17 1142,779 1134,771 1134,745 1154,725 1553,725 1585,693 1585,522 1625,482 1625,461 1630.41,455.59 J1.16@1660.55,455.59
HDMI_CEC: 4.3 J3.15 R32.1 | length 738.5
  Top1 w4: R32.1@1035,1095 1020,1080 4.3@1020,984.06 1060.06,984.06 1107,1031 1158,1031 1196,993 1196,894 1253,837 1406,837 1413.5,844.5 1413.5,873.5 1424.88,884.88 J3.15@1446.77,884.88
HDMI_SCL: J3.17 R18.1 R19.2 | length 368.5
  Top1 w4: R19.2@1155,825 v1(1155,860) ; v1(1209,847) 1227,829 1410,829 1422,841 1422,862 1429.13,869.13 J3.17@1446.77,869.13
  Signal2 w4: v1(1155,860) 1196,860 v1(1209,847)
HDMI_SDA: J3.18 R22.1 R25.2 | length 422.5
  Top1 w4: R25.2@1117.5,752.5 R22.1@1155,790 1178,813 1438,813 1486.26,861.26 J3.18@1495,861.26
HHPD: J1.17 R24.2 | length 950.2
  Top1 w4: R24.2@1480,1135 1529,1135 1575,1089 1575,1022 1644,953 1644,893 1687,850 1687,761 1555,629 v1(1555,583)
  Bottom4 w4: v1(1555,583) 1577,561 1577,509 1605,481 1605,440 1628.78,416.22 J1.17@1660.55,416.22
HSCL: J1.6 R19.1 | length 568.2
  Signal2 w4: v1(1115,825) 1122.5,817.5 1585.5,817.5 v1(1625,857)
  Bottom4 w4: v1(1625,857) 1632.71,849.29 J1.6@1660.55,849.29
HSDA: J1.15 R25.1 | length 700.7
  Bottom4 w4: v1(1155,755) 1177,733 1556.31,733 1593,696.31 1593,555.69 1596,552.69 1596,544 1645.04,494.96 J1.15@1660.55,494.96
HTX0N: E2.4 E2.7 J1.9 J3.11 | length 957.1
  Top1 w4: v1(1250,752) 1250,774.82 1278.18,803 1442.98,803 1496.98,749 v1(1624,749) ; v1(1276,863) 1276,895 1288.69,907.69 E2.7@1334.78,907.69 E2.4@1369.22,907.69 1392.18,907.69 1401.49,917 1446.15,917 J3.11@1446.77,916.38
  Bottom4 w4: v1(1250,752) 1256.49,745.51 1271.51,745.51 1276,750 1276,784 1276,784.45 ccw(c1271.95,784.45) 1271.95,788.5 1261.05,788.5 cw(c1261.05,792.55) 1257,792.55 1257,793.45 cw(c1261.05,793.45) 1261.05,797.5 1276,797.5 1288.95,797.5 ccw(c1288.95,801.55) 1293,801.55 1293,802.45 ccw(c1288.95,802.45) 1288.95,806.5 1276,806.5 1261.05,806.5 cw(c1261.05,810.55) 1257,810.55 1257,811.45 cw(c1261.05,811.45) 1261.05,815.5 1276,815.5 1288.95,815.5 ccw(c1288.95,819.55) 1293,819.55 1293,820.45 ccw(c1288.95,820.45) 1288.95,824.5 1280.05,824.5 cw(c1280.05,828.55) 1276,828.55 1276,833 v1(1276,863) ; v1(1624,749) 1641.82,731.18 J1.9@1660.55,731.18
HTX0P: E2.5 E2.6 J1.10 J3.9 | length 1027.5
  Top1 w4: E2.6@1334.78,927.37 E2.5@1369.22,927.37 1412.37,927.37 v1(1417.13,932.13) J3.9@1446.77,932.13
  Bottom4 w4: v1(1417.13,932.13) 1422,937 1506,937 1511.5,937 1516,937 1522,931 1522,906 1516,900 1515.5,900 1509.35,900 ccw(c1509.35,897.15) 1506.5,897.15 cw(c1503.35,897.15) 1503.35,894 1500.65,894 cw(c1500.65,897.15) 1497.5,897.15 1497.5,900 1497.5,924.85 ccw(c1494.35,924.85) 1494.35,928 1491.65,928 ccw(c1491.65,924.85) 1488.5,924.85 1488.5,900 1488.5,897.15 cw(c1485.35,897.15) 1485.35,894 1482.65,894 cw(c1482.65,897.15) 1479.5,897.15 1479.5,900 1479.5,924.85 ccw(c1476.35,924.85) 1476.35,928 1473.65,928 ccw(c1473.65,924.85) 1470.5,924.85 1470.5,900 1470.5,897.15 cw(c1467.35,897.15) 1467.35,894 1464.65,894 cw(c1464.65,897.15) 1461.5,897.15 1461.5,900 1461.5,924.85 ccw(c1458.35,924.85) 1458.35,928 1455.65,928 ccw(c1455.65,924.85) 1452.5,924.85 1452.5,903.15 cw(c1449.35,903.15) 1449.35,900 1443.5,900 1439,900 1438,900 1421,917 1380,917 1362,899 1362,854.25 1390.25,826 1492.57,826 1538.57,780 1565.88,780 1633,712.88 1633,702 1643.19,691.81 J1.10@1660.55,691.81
HTX1N: E1.1 E1.10 J1.11 J3.8 | length 993.8
  Top1 w4: E1.10@1335,969 E1.1@1369.45,969 1369.45,962.45 1364,957 1289,957 1284,952 1284,934 1288,930 1306,930 1315,939 1390,939 v1(1397,946) ; J3.8@1495,940 1536,940 v1(1539,943)
  Bottom4 w4: v1(1539,943) 1536,946 v1(1397,946) 1367,946 1354,933 1354,850.94 1386.94,818 1489.25,818 1535.25,772 1562.57,772 1625,709.57 1625,682.25 1654.81,652.44 J1.11@1660.55,652.44
HTX1P: E1.2 E1.9 J1.12 J3.6 | length 993.6
  Top1 w4: E1.9@1335,988.69 E1.2@1369.45,988.69 1389.31,988.69 1398,980 1398,973 v1(1411,960) ; J3.6@1495,955.75 1527.75,955.75 v1(1539,967)
  Bottom4 w4: v1(1539,967) 1532,960 1485,960 1481.5,960 1474.35,960 cw(c1474.35,963.85) 1470.5,963.85 1470.5,983.15 ccw(c1466.65,983.15) 1466.65,987 1463.35,987 ccw(c1463.35,983.15) 1459.5,983.15 1459.5,963.85 cw(c1455.65,963.85) 1455.65,960 1452.35,960 cw(c1452.35,963.85) 1448.5,963.85 1448.5,983.15 ccw(c1444.65,983.15) 1444.65,987 1441.35,987 ccw(c1441.35,983.15) 1437.5,983.15 1437.5,963.85 cw(c1433.65,963.85) 1433.65,960 1432,960 v1(1411,960) 1400,971 1357,971 1346,960 1346,847.63 1383.63,810 1485.94,810 1531.94,764 1559.25,764 1617,706.25 1617,656.62 J1.12@1660.55,613.07
HTX2N: E1.4 E1.7 J1.14 J3.5 | length 1031
  Top1 w4: E1.7@1335,1028.06 E1.4@1369.45,1028.06 v1(1392.94,1028.06) 1410,1011 1410,981 1427.38,963.62 J3.5@1446.77,963.62
  Bottom4 w4: v1(1392.94,1028.06) 1407.92,1028.06 1419,1039.13 1419,1056 1411,1064 1354,1064 1330,1040 1330,841 1377,794 1479.31,794 1525.31,748 1552.63,748 1601,699.63 1601,582.47 1649.14,534.33 J1.14@1660.55,534.33